# KiCad board mist1010.kicad_pcb (continued)
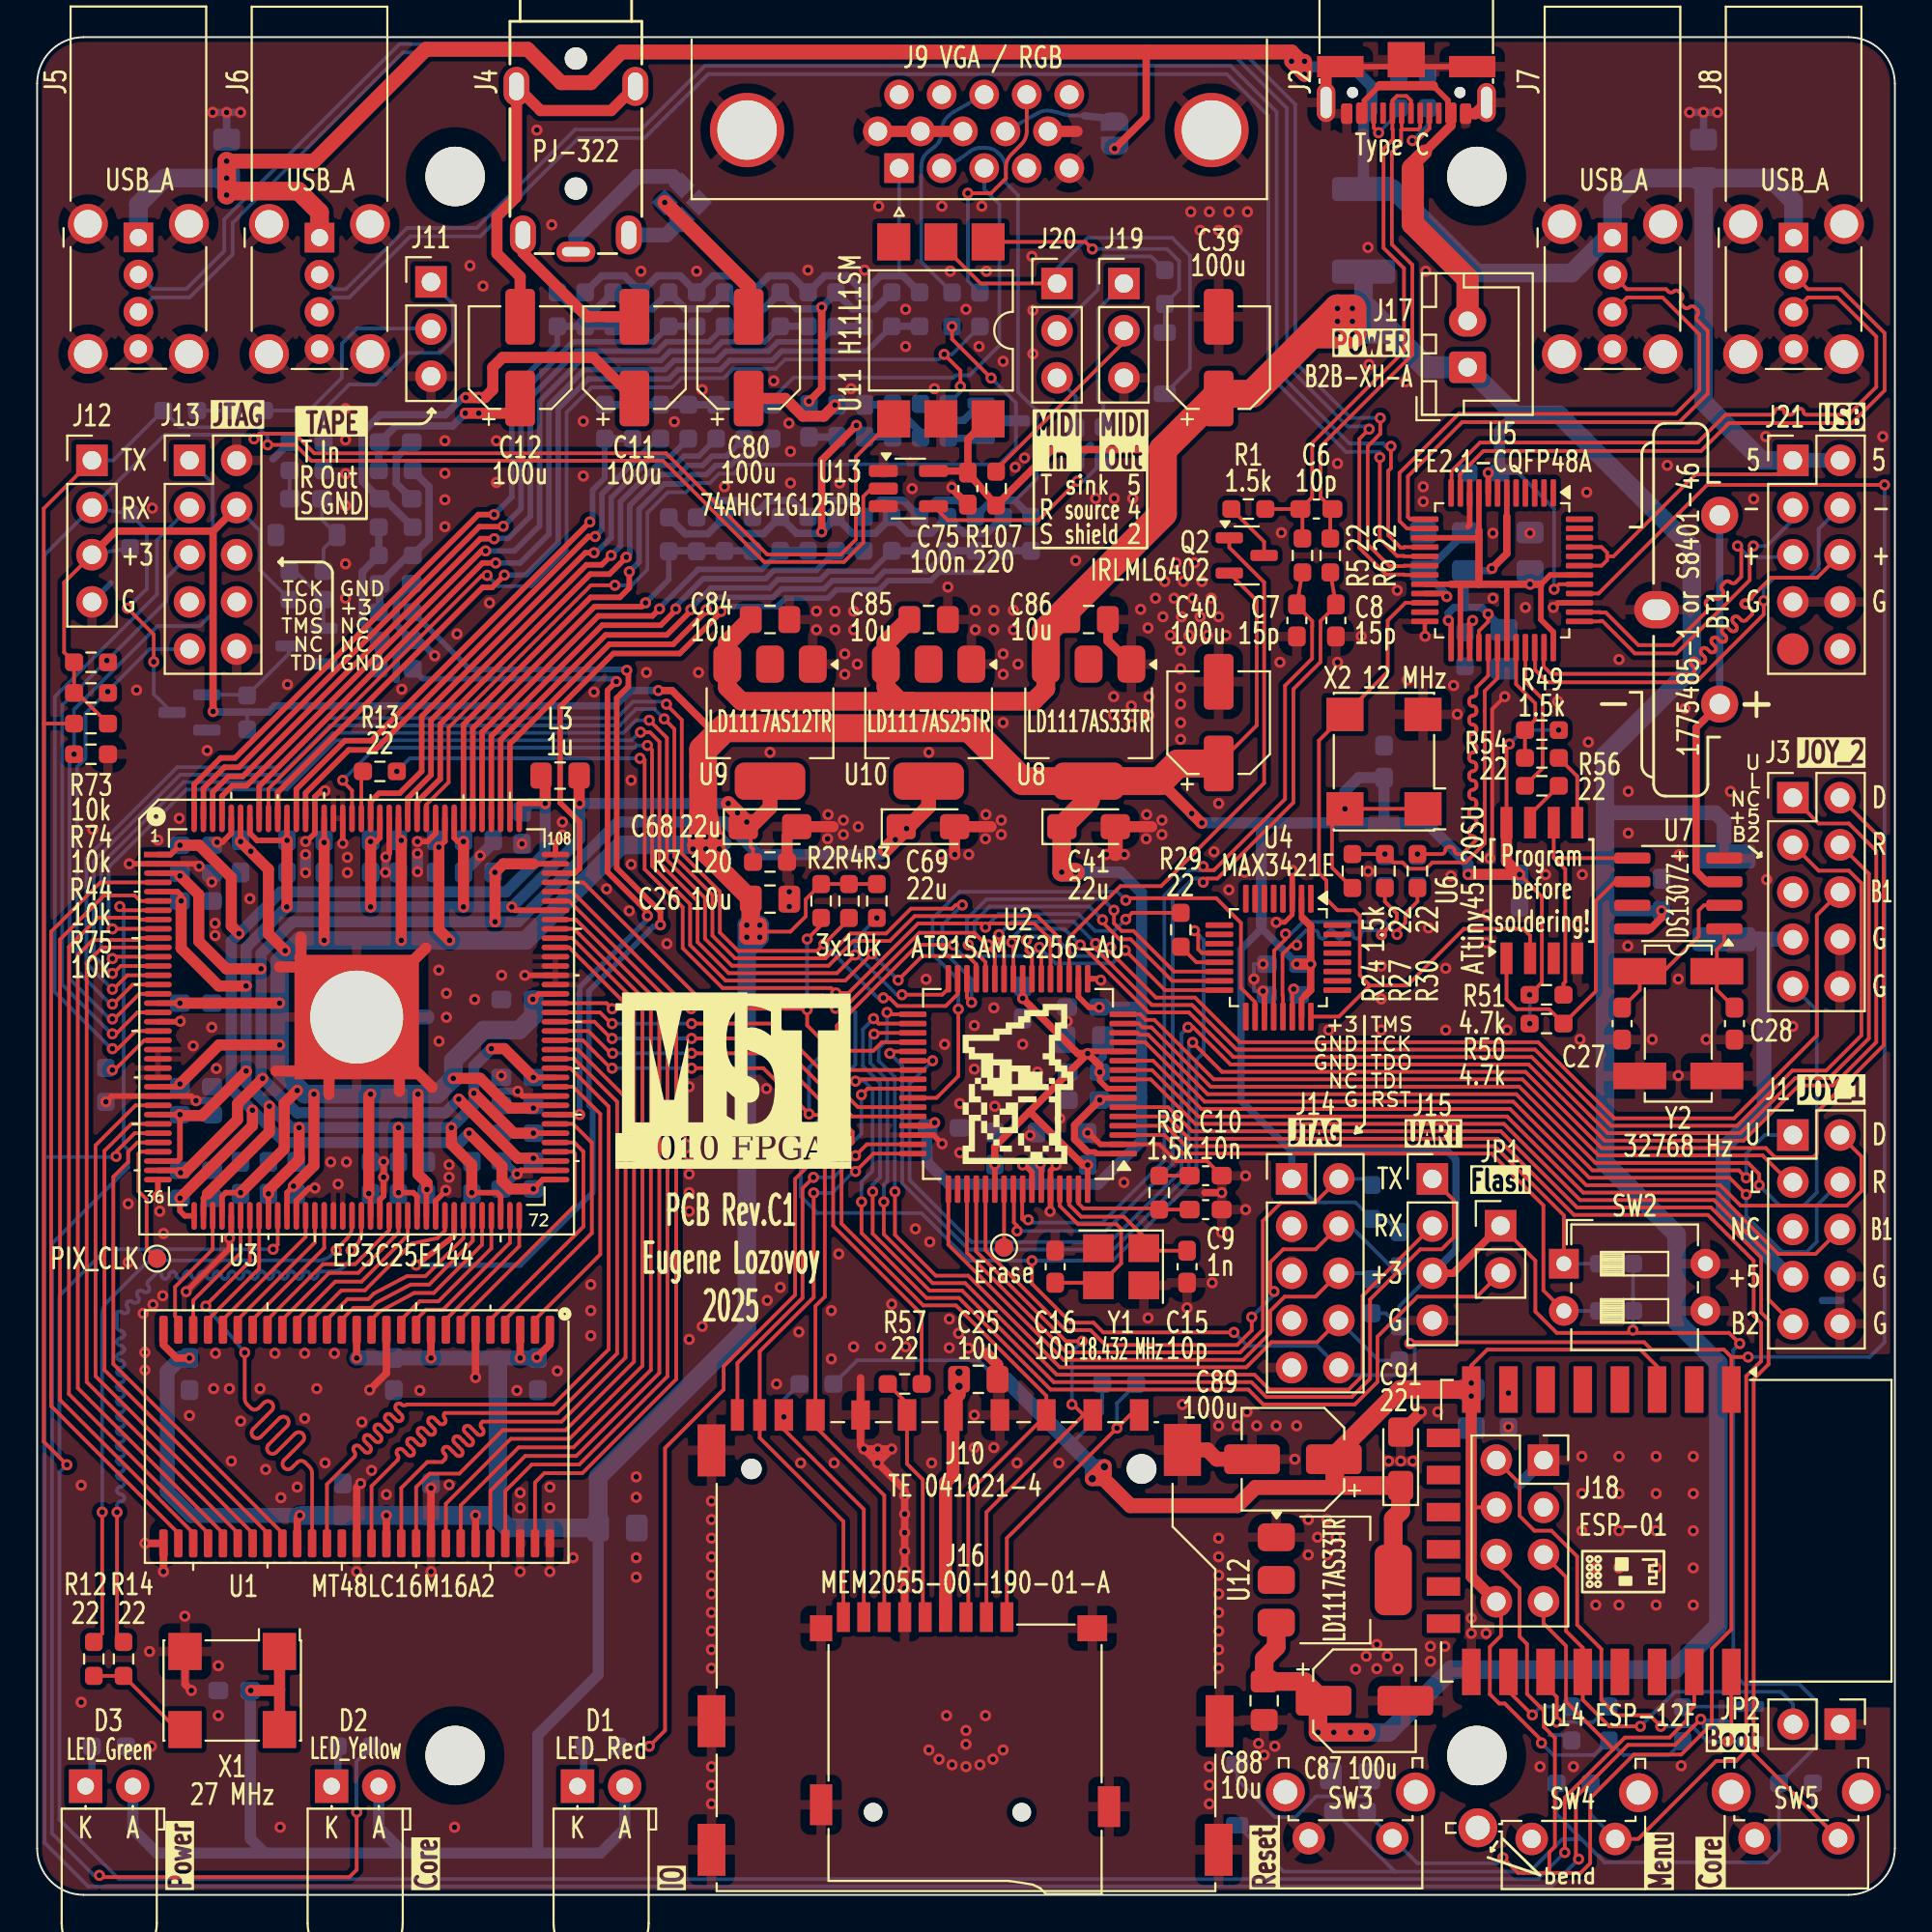
[diagram p0: board, top side]
## Routing (per net, layer and track width the routed paths; a pad name or vN(x,y) marks a point on that pad's centre or on a via; arc(x,y) is an arc through that point) (continued)
+3V3_2: length 103.8
  Top w0.2: J18.8 78.8,15.53 78.8,13.95 78.2,13.35 78.2,10.8 78.7,10.3 79,10.3 80.98,8.32 v1(80.98,8.18) ; J18.4 77.34,20.86 77.2,21 ; U14.3 87.2,28.45 86.3,29.35 78.06,29.35 77.2,28.49 U14.8
  Top w0.6: U14.8 77.2,27.2 77.2,17.13 J18.8
  Top w0.8: 57.4,22.4 58.85,20.95 64.6,20.95 65.58,21.93 69.73,21.93 69.85,22.05 ; 57.4,22.4 v2(56.8,22.4) v2(57.45,23.05) 57.45,22.45 57.4,22.4
  Top w1: 69.83,22.03 C91.1 73.4,20.65 73,20.25 U12.2 ; U14.8 73.38,27.2 69.85,23.67 69.85,22.05
  Bottom w0.2: 55.65,24.25 57.34,25.94 R53.1 ; L2.1 50.66,28.77 44.14,28.77 R64.1 ; R59.1 87.84,7.53 85.39,7.53 R109.2 83.81,7.53 81.63,7.53 v1(80.98,8.18)
  Bottom w0.8: 56.62,23.27 52.15,27.75 L2.1 ; 56.62,23.27 56.85,23.05 v2(57.45,23.05) 57.15,22.75 ; 56.62,23.27 56.8,23.1 v2(56.8,22.4) 57.15,22.75 ; 56.62,23.27 57.15,22.75
  vias: v1(77.2,27.55) v1(77.2,26.85)
+5V: length 239.9
  Top w0.2: U5.41 81.93,70.55 v1(81.66,70.28)
  Top w0.3: U5.8 v1(78.11,76.55)
  Top w0.4: U11.6 50.1,78.36 C75.2 R107.2 54.63,77.8 60.6,77.8 ; U7.8 86.84,52 87.44,52.6 v1(87.44,52.97) ; 48.26,76.65 50.01,76.65
  Top w1: C85.2 45.69,67.39 U10.3 45.69,65.01 46.45,64.25 47.09,64.25 ; C84.2 37.15,67.39 U9.3 37.15,65 37.9,64.25 47.09,64.25 ; 47.09,64.25 53.62,64.25 54.3,64.92 U8.3 ; v1(71.55,8.75) v1(68.95,8.75) 68.95,10.15 C87.1 68.21,11.49 C88.2 66.05,12.7 66.7,13.35 U12.3
  Top w1.2: 63.6,80.8 C39.1 63.35,80.55
  Top w1.5: U8.3 54.3,68.05 60.6,74.35 60.6,77.8 63.35,80.55 ; 68.6,84 65.4,80.8 63.6,80.8 ; 68.6,84 v1(70,84) ; 68.6,84 v1(70,85.4) ; v1(70,84) v1(70,85.4) ; v1(70,84) v1(70.8,84) v1(70.8,85.4) v1(70,85.4)
  Bottom w0.2: 78.72,76.55 79.72,76.55 81.66,74.62 v1(81.66,70.28)
  Bottom w0.6: 71.4,85.6 71.6,85.4 ; 84.47,52.97 v1(87.44,52.97) ; v1(78.11,76.55) 78.72,76.55 78.72,78.83 79.56,79.67
  Bottom w0.8: F2.1 90.8,57.8 90.35,58.25 84.4,58.25
  Bottom w1: J17.1 79.56,79.67 81.93,79.67 89.07,72.53 89.07,66.02 84.4,61.35 84.4,39.4 88.25,35.55 88.25,30.87 90.5,28.62 90.5,14.5 88.12,12.12 76.12,12.12 72.75,8.75 v1(68.95,8.75) ; v1(70,84.7) 72.3,84.7 73,84 v1(70,84) v1(70,84.7) ; v1(70,84.7) v1(70,85.4) 71.6,85.4 ; F1.1 71.4,85.6
  Bottom w1.2: 71.6,85.4 74.77,82.23 J17.1
  vias: v1(69.8,8.75) v1(70.7,8.75) v1(70.8,84.7)
+5V_JOY: length 26.3
  Bottom w0.8: J3.7 F2.2 92.8,51.44 92.95,51.29 92.95,42.4 90.75,40.2 90.75,36.81 94.28,33.28
+5V_USB: length 167.6
  Top w0.2: J21.1 93.76,76.47 89.27,76.47 84.85,72.05 84.51,72.05 ; U5.43 84.21,71.55 84.51,71.85 84.51,72.25 84.21,72.55 U5.45
  Top w0.4: v1(58,94) 59.7,95.7 59.7,99.17 59.72,99.2
  Top w0.6: 68.12,98.6 v1(68.22,98.7) v1(67.53,98.7)
  Top w0.8: v1(67.53,98.7) v1(68.22,98) v1(68.22,98.7) ; 68.12,98.6 67.53,99.2 31.45,99.2 29.8,97.55 28.2,97.55 26.4,99.35 20.92,99.35 14.9,93.32 v1(10.2,93.32)
  Top w1: v1(10.2,93.32) v1(10.2,92.41) v1(10.2,91.5) 10.42,91.72 14.06,91.72 15.2,90.57 J6.1
  Bottom w0.6: F1.2 71.4,95.55 71.85,96 71.85,97.35 70.8,98.4 68.22,98.4 ; v1(10.2,93.32) v1(10.2,91.5) ; 68.22,98.4 v1(68.22,98) v1(67.53,98.7) v1(68.22,98.7) 68.22,98.4
  Bottom w0.8: J21.1 J21.2
  Bottom w1: v1(10.2,92.41) 6.86,92.41 5.45,91 J5.1 ; F1.2 72.97,91.82 77.5,87.3 82.6,87.3 84.51,89.21 J7.1 84.8,91.15 86.06,92.41 C33.2 ; C33.2 93.29,92.41 94.55,91.15 J8.1 ; C33.2 89.7,80.35 92.83,77.22 J21.1
GND: length 232.4
  Top w0.2: C10.2 62.97,39.5 61.3,39.5 60.4,40.4 U2.2 ; U5.24 74.7,67.76 v1(74.71,67.75) ; v1(78.2,55.8) 78.32,55.92 78.32,63.82 v1(79,64.5)
  Top w0.25: v1(66.7,52.35) 67.15,52.35 67.56,52.76 U4.3
  Top w0.3: U3.41 10.45,35.45 v1(10.35,35.35) 10.35,34.8 v1(8.02,32.47) ; v1(7.7,47.02) 7.67,47 U3.19 ; v1(54.53,36.79) 54.55,36.82 U2.60 54.55,38.99 v1(54.85,39.29) ; 18.65,37.63 v1(18.65,38.63) ; 18.65,37.63 18.45,37.43 U3.57 ; 18.65,37.63 v1(18.65,39.47) ; U5.10 77.11,73.74 77.03,73.65 ; J2.S1 74.07,98.41 J2.S1 73.32,98.41 J2.S1 ; v1(28.27,57.05) 27.9,56.68 U3.108 ; U3.140 10.45,57.14 9.97,56.67 v1(9.68,56.67) ; U3.74 26.03,39 v1(25.83,38.8) ; v1(8.55,42.75) 8.3,43 U3.27 4.01,43 v1(3.7,42.69) ; U3.123 18.95,56.05 v1(18.77,55.87) ; v1(67.55,55.15) 67.56,55.14 U4.3 ; U2.46 48.25,40.9 v1(48.71,40.43) ; U2.2 57.23,40.4 56.62,41.01 v1(56.55,41.01) ; v1(81.61,69.3) 81.86,69.55 U5.39 ; U3.118 21.45,57.14 21.01,56.7 v1(20.47,56.7) ; v1(6.5,37.6) U3.36 ; U3.48 13.95,37.36 14.64,38.05 v1(14.95,38.05) ; v1(14.45,56.7) 14.51,56.7 14.95,57.14 U3.131 14.95,59.1 15.28,59.43 v1(15.49,59.43) ; v1(65.99,48.65) 66.06,48.57 U4.19 ; U3.63 21.45,37.36 22,37.91 v1(22,37.92) ; U3.82 26.13,43 v1(25.87,43.26) ; v1(8.72,55.37) 8.59,55.5 U3.2 v1(4.96,55.5) ; U3.128 v1(16.45,56.6) ; U2.17 57.18,49.31 v1(57.25,49.24) ; U3.95 v1(26.25,49.5)
  Top w0.4: v1(45.25,23.25) 46.7,21.8 J16.6 ; v1(45.25,23.25) v1(44.5,24) ; v1(45.25,23.25) v1(46,24) v1(45.25,24) ; v1(45.25,23.25) v1(45.25,24) ; v1(44.5,24) v1(45.25,24) ; v1(44.5,24) 44.32,24.17 J10.6 44.32,27.82 ; X1.2 7.96,11.34 v1(8.3,11) ; U1.12 18.8,28.08 v1(17.9,27.18) ; U1.46 v1(21.2,21.9) ; v1(23.6,27.85) U1.6 ; C75.1 49.24,75.7 v1(49.24,75.76) ; v1(17.41,22.14) 17.2,21.93 U1.41 ; v1(5.8,18.92) U1.28 v1(6.8,17.4) ; v1(63.76,37.8) 62.86,37.8
  Top w0.5: U8.1 57.64,67.51 C86.1
  Top w0.6: 15.71,43.09 15.71,45.76 U3.145 ; U3.145 14.5,49.95 13.05,49.95 ; U3.145 17.48,47.25 21.25,43.48 21.25,43.47 ; U3.145 14.2,50.25 14.2,51.55 ; U3.145 20.92,50.97 ; U3.145 14.3,44.35 12.85,44.35 ; U3.145 19.5,44.95 19.5,43.25 ; v1(49.4,56) 49.39,56.01 C69.2 51.35,57.5 ; C91.2 74.49,26 v1(74.5,26) ; J2.S1 69.38,98.41 J2.S1 ; J9.10 55.98,94.93 ; R7.2 40.36,56.97 C68.2 42.85,57.5 ; 51.1,29.15 51.7,28.55 C25.1 ; J2.S1 77.42,95.88 J2.A1 ; C41.2 60,57.5 ; J9.6 J9.8
  Top w0.8: C89.2 63.5,23.45 63,23.95 J10.12 ; 58.05,56.05 58.04,56.06 C41.2
  Bottom w0.2: C63.1 55.44,47.04 v1(55.45,47.02) 55.3,46.87 C1.1 ; R110.2 82.31,8.6 81.4,8.6 ; v1(65.99,48.65) 65.5,48.65 v1(65.5,49.3) 65.5,50.1 v1(65.99,50.1)
  Bottom w0.3: J12.4 3.97,70.62
  Bottom w0.4: v1(25.87,43.26) 24.96,43.26 ; v1(10.2,95.95) v1(10.95,95.95) ; v1(10.2,95.95) v1(9.45,95.95) ; v1(10.2,95.95) C34.1 ; C33.1 v1(89.7,95.95) ; v1(89.7,95.95) v1(88.95,95.95) ; v1(89.7,95.95) v1(90.45,95.95) ; C13.2 19.33,75.99 19.33,77.36 C14.2 ; v1(18.65,39.47) v1(18.65,38.63) ; 19.33,65.42 19.33,66.69 C82.2 ; C73.1 25.03,38 v1(25.83,38.8) 25.13,39.5 C37.1 ; 97.1,32 96.1,32 ; C82.2 20.58,67.52 v1(21.4,66.7) ; C82.2 19.33,68.36 19.33,69.74 C83.2 ; 12.7,77.3 13.59,78.19 R67.2 ; v1(8.55,42.75) 9.4,42.75 ; v1(18.77,55.87) 18.75,55.85 v1(18.75,55.04) ; C76.2 56.7,78.04
  Bottom w0.6: J18.1 79.79,22.1 ; J9.6 47.54,94.93 ; v1(14.45,56) v1(14.45,55.02) ; v1(20.47,56.05) v1(20.47,55.07) ; C38.1 24.55,56.64 C96.1 ; J9.10 55.93,94.93
  Bottom w0.8: U3.145 20.99,47.25
  vias: v1(2.37,22.05) v1(2.37,10.37) v1(3,57.35) v1(4.9,37.2) v1(4.9,34.05) v1(5.35,64.85) v1(5.71,31.3) v1(5.8,29.2) v1(5.8,28.25) v1(6.05,13.1) v1(6.2,74.65) v1(6.23,31.77) v1(6.15,8) v1(6.5,56.78) v1(6.6,36.8) v1(6.8,35.6) v1(6.76,32.25) v1(7.65,57.95) v1(7.95,15) v1(8.2,25.8) v1(8.4,45.7) v1(9.15,61.6) v1(9.4,54.52) v1(9.4,46.7) v1(9.5,27.25) v1(9.58,52.3) v1(9.58,51.64) v1(9.6,29.15) v1(9.65,44.48) v1(9.75,12.33) v1(9.75,9.65) v1(10.35,27.25) v1(10.45,23.35) v1(10.95,25.5) v1(11.45,53.62) v1(12,27.25) v1(12.3,22.9) v1(12.8,29.15) v1(13.12,21.38) v1(13.08,3.64) v1(13.47,65.15) v1(14,21.95) v1(14.4,29.15) v1(14.4,25.65) v1(15.05,27.25) v1(15.5,23.25) v1(15.8,39.45) v1(16,29.15) v1(16.2,38.26) v1(16.6,80) v1(16.6,78.32) v1(16.6,76.5) v1(16.6,74.77) v1(16.6,71.65) v1(16.6,69.8) v1(16.7,55.85) v1(16.7,55.02) v1(16.65,39.45) v1(17.2,17.4) v1(17.47,25.45) v1(18,22.85) v1(18.8,21.55) v1(19.62,64.9) v1(20.6,27.15) v1(21.2,17.4) v1(21.62,49.78) v1(21.63,45.95) v1(21.95,78.27) v1(21.95,76.52) v1(21.95,75.1) v1(21.95,73.65) v1(22.03,48.53) v1(22.03,47.24) v1(22.17,39.3) v1(22.17,38.62) v1(22.18,22.07) v1(22.47,3.64) v1(22.6,67.88) v1(23.3,87.7) v1(23.55,48.2) v1(23.85,55.94) v1(24,86.6) v1(24.35,69.55) v1(24.72,78.27) v1(24.72,76.02) v1(25,49.5) v1(24.99,44.1) v1(25.83,27.15) v1(26,21.65) v1(26,20.83) v1(26,17.4) v1(26.1,56.57) v1(26.9,95) v1(27.6,21.95) v1(27.6,20.84) v1(27.6,17.4) v1(27.7,89.9) v1(28,28.2) v1(28.27,57.75) v1(28.85,18.15) v1(29.4,79.32) v1(29.4,76.38) v1(29.8,32.85) v1(29.8,31.45) v1(29.8,30.1) v1(29.97,64.75) v1(30.65,54.15) v1(31.87,52.97) v1(31.97,60) v1(31.97,55.47) v1(32.25,22.5) v1(32.25,21.4) v1(32.25,18.15) v1(32.25,17.1) v1(32.5,87.4) v1(32.8,65.8) v1(33.9,51.2) v1(34.3,79.3) v1(35.1,43.5) v1(35.1,40.8) v1(35.1,39.8) v1(35.1,38.8) v1(35.1,37.8) v1(35.1,36.8) v1(35.1,29.9) v1(35.5,87.4) v1(35.6,65.8) v1(35.8,81.02) v1(35.8,30.6) v1(36.3,21.2) v1(36.3,20.2) v1(36.3,19.2) v1(36.3,18.2) v1(36.3,17.2) v1(36.3,16.2) v1(36.3,15.2) v1(36.3,14.2) v1(36.3,13.2) v1(36.3,12.2) v1(36.3,6.9) v1(36.3,5.9) v1(36.3,4.9) v1(37,75.8) v1(39.26,43.4) v1(39.3,32) v1(39.45,61.5) v1(39.65,81.5) v1(39.8,27.5) v1(40,32.7) v1(40.43,42.2) v1(40.43,41.2) v1(40.43,40.2) v1(40.47,79.22) v1(40.49,54) v1(40.49,53.2) v1(40.55,77.7) v1(40.55,76) v1(41,30.3) v1(41.1,23.25) v1(41.49,87.46) v1(41.95,69.1) v1(41.95,68.1) v1(42.57,58.15) v1(42.55,56.85) v1(42.75,31.45) v1(42.75,28.85) v1(42.95,69.1) v1(42.95,68.1) v1(42.9,23.25) v1(43.2,76) v1(43.15,34.5) v1(43.4,57.85) v1(43.4,57.07) v1(43.47,66.8) v1(43.47,65.7) v1(43.81,81.07) v1(43.95,69.1) v1(43.95,68.1) v1(43.95,29.5) v1(44.15,66.25) v1(44.2,57.5) v1(44.54,87.46) v1(45.3,90.9) v1(45.4,29.5) v1(46,31.8) v1(46.75,85.35) v1(46.75,83.35) v1(46.75,29.5) v1(46.7,21.5) v1(46.7,20.5) v1(46.7,19.5) v1(46.7,18.5) v1(46.7,17.5) v1(46.7,16.5) v1(47.1,75.7) v1(47.28,35.85) v1(47.85,49.29) v1(48,61.5) v1(48,7.8) v1(48.05,35.15) v1(48.15,23.25) v1(48.3,81.07) v1(48.55,7.3) v1(48.7,90.9) v1(48.65,56) v1(48.85,45.79) v1(48.95,9.65) v1(49.03,70.4) v1(49.1,31) v1(49.1,29.45) v1(49.15,87.4) v1(49.25,7) v1(49.6,30.22) v1(49.66,42.6) v1(49.66,39.95) v1(50,85.35) v1(50,8.85) v1(50,8.1) v1(50,6.9) v1(50.12,29.42) v1(50.15,56) v1(50.45,46.8) v1(50.45,44.45) v1(50.45,25.82) v1(50.45,24.07) v1(50.5,69.15) v1(50.5,68.1) v1(50.7,83.35) v1(50.75,7) v1(50.85,90.9) v1(51.1,87.4) v1(51.07,58.15) v1(51.05,56.85) v1(51.05,9.65) v1(51.45,7.3) v1(51.5,69.15) v1(51.5,68.1) v1(51.5,47.75) v1(51.55,42.45) v1(51.5,24.07) v1(51.9,57.85) v1(51.9,57.07) v1(52,82.55) v1(52,66.8) v1(52,65.7) v1(52,63.1) v1(52,7.8) v1(52.55,69.15) v1(52.55,68.1) v1(52.65,76.85) v1(52.75,23.25) v1(52.8,66.25) v1(53.05,45.79) v1(53.15,77.35) v1(53.45,40.89) v1(53.55,88.2) v1(53.6,85.3) v1(53.6,82.95) v1(53.85,44.29) v1(55.05,41.79) v1(55,23.25) v1(55.9,71.82) v1(56.98,75.17) v1(57.55,56) v1(57.95,64.5) v1(57.95,63.5) v1(57.98,75.17) v1(58.53,56) v1(58.5,38.35) v1(58.9,64) v1(58.9,63) v1(58.98,75.17) v1(59.4,69.2) v1(59.72,58.15) v1(59.7,56.85) v1(59.8,68.2) v1(59.85,64.5) v1(59.85,63.5) v1(59.8,31.05) v1(60.2,69.8) v1(60.6,68.8) v1(60.55,57.85) v1(60.55,57.07) v1(60.7,70.7) v1(61,67.8) v1(61.2,69.8) v1(61.3,71.7) v1(61.6,68.8) v1(61.55,67) v1(61.55,66) v1(61.55,65) v1(61.55,64.1) v1(61.55,63.1) v1(61.55,62.2) v1(61.7,70.7) v1(61.65,26.4) v1(61.9,31.6) v1(62,67.8) v1(62.1,90.6) v1(62.2,69.8) v1(62.3,71.7) v1(62.6,89.6) v1(62.6,68.8) v1(62.7,70.7) v1(63,67.8) v1(63.1,90.6) v1(63.1,6.9) v1(63.1,5.9) v1(63.1,4.9) v1(63.2,69.8) v1(63.35,56.15) v1(63.25,32.95) v1(63.6,89.6) v1(63.6,68.8) v1(63.6,58.75) v1(63.6,25.25) v1(63.6,19.2) v1(63.6,18.2) v1(63.6,17.2) v1(63.6,16.2) v1(63.6,15.2) v1(63.6,14.2) v1(63.6,13.2) v1(63.6,12.2) v1(63.76,35.65) v1(64,67.8) v1(64.15,90.6) v1(64.15,54.1) v1(64.6,89.6) v1(64.6,25.25) v1(65,55.05) v1(65.05,38.7) v1(65.05,36.89) v1(65.12,26) v1(65.15,90.6) v1(65.65,25.25) v1(65.75,8.15) v1(66.05,7.53) v1(66.62,8) v1(66.7,25.25) v1(66.9,66.35) v1(66.97,73.32) v1(67.7,23.45) v1(67.8,25.25) v1(68.43,20.2) v1(68.43,18.3) v1(68.93,19.25) v1(69.43,20.2) v1(69.43,18.3) v1(69.53,46.55) v1(69.93,19.25) v1(70,77.05) v1(70,66.35) v1(70.97,12.15) v1(71.28,67.75) v1(71.54,12.85) v1(71.64,88.68) v1(71.7,82.38) v1(71.65,55.1) v1(72.11,13.47) v1(72.11,12.17) v1(72.35,50) v1(72.35,48.22) v1(72.35,46.55) v1(72.75,23.35) v1(72.68,12.85) v1(73.21,70.22) v1(73.25,12.17) v1(73.4,23.35) v1(73.68,81.45) v1(73.76,65.4) v1(74.05,23.35) v1(74.61,75.8) v1(74.61,75) v1(74.75,87.4) v1(74.9,52.05) v1(75,13.38) v1(75,12.57) v1(75.4,26) v1(75.82,49.88) v1(75.82,46.55) v1(75.78,13.38) v1(76.1,54.85) v1(76.25,65.1) v1(76.45,63.55) v1(77.2,14.9) v1(77.2,14.07) v1(78,51.25) v1(78,14.07) v1(78.05,52.75) v1(78.36,73.3) v1(78.36,69.8) v1(79.12,46.55) v1(79.2,25.19) v1(80.11,69.3) v1(80.36,73.3) v1(80.9,6.9) v1(81.2,54.92) v1(81.85,64.25) v1(82.7,6.9) v1(82.9,52.25) v1(83.05,46.05) v1(83.18,54.92) v1(83.15,23.6) v1(83.15,21.6) v1(83.15,19.6) v1(83.41,75.5) v1(83.5,62.05) v1(83.9,17.6) v1(83.9,15.6) v1(85.15,66.5) v1(85.15,23.6) v1(85.15,21.6) v1(85.15,19.6) v1(85.15,17.6) v1(85.15,15.6) v1(85.62,51.07) v1(85.65,59.4) v1(85.65,57.15) v1(86.94,46.05) v1(87.15,23.6) v1(87.15,21.6) v1(87.15,19.6) v1(87.15,17.6) v1(87.15,15.6) v1(87.75,76.95) v1(88.34,49.3) v1(88.34,44.1) v1(88.4,56) v1(88.5,6.95) v1(88.7,63.85) v1(89.15,23.6) v1(89.15,21.6) v1(89.15,19.6) v1(89.15,17.6) v1(89.15,15.6) v1(89.84,46.05) v1(91.15,59.4) v1(92.4,75.15) v1(93.05,78.5) v1(93.1,54.65) v1(94.5,46.75) v1(99.35,78.5)
+BATT: length 21.4
  Top w0.4: BT1.1 89.3,62.83 89.3,55.1 89.86,54.54 U7.3
  Bottom w0.4: BT1.1 BT1.1
/ARM_TCK: length 32.9
  Top w0.2: U2.53 51.05,34.7 55.35,30.4 56.7,30.4 57.5,29.6 64.59,29.6 65.38,30.39 v1(65.38,31.1) ; v1(66.58,32.48) 66.38,32.68 66.38,34.05 67.08,34.75 68.82,34.75 J14.4
  Bottom w0.2: R70.2 72.85,33.85 70.7,36 J14.4 ; v1(66.58,32.48) 66.58,32.3 v1(65.38,31.1)
/ARM_TDI: length 46
  Top w0.2: v1(45.75,47.5) 45.85,47.4 U2.33 ; v1(46.17,37.85) 46.17,35.53 48.37,33.33 50.12,33.33 55.05,28.4 65.09,28.4 66.44,29.75 68.9,29.75 J14.8
  Bottom w0.2: R72.2 72.22,28.77 J14.8 ; v1(46.17,37.85) 46.17,37.86 46.17,44.03 45.3,44.89 45.3,45.58 45.75,46.03 v1(45.75,47.5)
/ARM_TDO: length 31.1
  Top w0.2: U2.49 49.05,35 55.25,28.8 64.93,28.8 66.38,30.25 66.38,31.43 67.15,32.2 68.81,32.2 J14.6
  Bottom w0.2: R71.2 71.52,33.46 J14.6
/ARM_TMS: length 34.9
  Top w0.2: J14.2 68.78,37.25 66.95,37.25 65.98,36.28 65.98,30.42 64.76,29.2 55.42,29.2 50.05,34.57 U2.51
  Bottom w0.2: J14.2 71.52,38.54 R69.2
/AUDIO_L: length 58.8
  Top w0.3: U3.65 22.45,35.49 22.38,35.42 v1(20.4,33.9) ; v1(33.55,52.21) 33.55,52.92 31.2,55.27 31.2,64.42 31.44,64.67 31.44,64.67 31.82,65.05 31.82,65.83 v1(31.74,65.91)
  Bottom w0.3: v1(31.74,65.91) 31.69,65.97 23.3,65.97 R11.2 ; v1(33.55,52.21) 33.48,52.14 33.19,52.14 29.7,48.65 29.7,42.52 29.9,42.32 29.9,37.8 26,33.9 v1(20.4,33.9)
/AUDIO_R: length 38.5
  Top w0.3: v1(32.85,52.7) 32.85,52.91 30.7,55.06 30.7,64.84 v1(31.18,65.32) ; U3.80 v1(29.2,42)
  Bottom w0.3: R10.1 20.75,65.47 31.03,65.47 v1(31.18,65.32) ; v1(29.2,42) 29.2,48.86 32.85,52.51 v1(32.85,52.7)
/B: length 32.3
  Bottom w0.2: J9.3 50.98,91.82 51.8,91 51.8,83.4 50.2,81.8 49.45,81.8 49.33,81.67 40.72,81.67 39.55,80.5
  Bottom w0.4: R41.2 R40.2 R39.2 R37.2 R35.2 R34.2 R33.2
/Button1: length 76.6
  Top w0.2: U2.5 60.81,41.9 62.01,40.7 78.63,40.7 82.73,36.6 89.94,36.6 92.4,34.14 92.4,31.18 92.8,30.78 92.8,28.73 92,27.93 92,7.75 91.45,7.2 90.38,7.2 86.19,3.01 SW4.1
  Bottom w0.2: SW4.1 83.61,4.35 R62.2
/Button2: length 74.8
  Top w0.2: SW5.1 92.4,7.6 92.4,27.76 93.2,28.56 93.2,30.95 92.8,31.35 92.8,34.3 90.1,37 82.89,37 78.79,41.1 62.18,41.1 60.88,42.4 U2.6
  Bottom w0.2: SW5.1 95.59,4.41 R63.2
/CLK_12: length 40.4
  Top w0.2: 71.75,48.95 70.07,47.27 U4.24 ; 71.75,48.95 71.2,49.5 71.2,52.7 70.9,53 70,53 69.4,53.6 69.4,54.6 69,55 69,62.14 X2.3 72.7,65.84 72.7,68.6 73.65,69.55 U5.22 ; 71.75,48.95 73.75,48.95 76.8,52 80,52 80.37,51.63 U6.2
/CLK_27: length 6.1
  Top w0.2: X1.3 7.54,8.9 R14.1 R12.1
/CONF_DATA0: length 79
  Top w0.2: v1(50.3,48.04) 50.05,48.29 U2.30 ; v1(49.8,53.29) 49.45,53.29 49.25,53.09 47.04,53.09 45.7,51.75 43.77,51.75 42.44,50.41 37.57,50.41 36.35,51.63 36.35,53.83 34.3,55.88 34.3,62.76 v1(33.75,63.3) ; U3.13 4.5,50 4.1,49.6 v1(4.05,49.6)
  Bottom w0.2: v1(33.75,63.3) 33.23,63.83 32.24,63.83 31.36,62.95 15.75,62.95 13.11,60.3 7.7,60.3 3.05,55.65 3.05,50.55 4,49.6 v1(4.05,49.6) ; v1(49.8,53.29) 48.72,52.21 48.72,50.86 50.3,49.29 v1(50.3,48.04)
/CONF_DCLK: length 77
  Top w0.2: v1(4.05,50.4) 4.15,50.5 U3.12 ; v1(32.95,63.23) 33.9,62.28 33.9,55.71 35.95,53.66 35.95,51.47 37.4,50.01 42.6,50.01 43.94,51.35 45.9,51.35 47.24,52.69 50.76,52.69 53.84,52.69 55.05,51.48 U2.20
  Bottom w0.2: v1(4.05,50.4) 3.45,51 3.45,55.48 7.87,59.9 13.27,59.9 15.92,62.55 31.55,62.55 32.23,63.23 v1(32.95,63.23)
/CONF_DONE: length 26
  Top w0.2: U2.36 45.47,45.9 45.01,45.44 42.8,45.44 42.45,45.79 42.45,45.8 41.45,46.8 v1(41.45,47.65) 41.4,47.7 v1(35.2,47.7) ; v1(30.95,47.7) 30.65,48 U3.92 ; 42.2,52.2 v1(41.45,51.45)
  Bottom w0.2: v1(35.2,47.7) v1(30.95,47.7) 31.05,47.7 ; v1(41.45,51.45) v1(41.45,47.65)
/CONF_NCONFIG: length 76.4
  Top w0.2: U3.14 4.85,49.5 4.1,48.75 v1(4.05,48.75) ; 43.7,52.52 v1(42.35,51.18) 41.99,50.81 37.74,50.81 36.75,51.8 36.75,54 34.7,56.05 34.7,63.24 33.88,64.07 v1(33.88,64.09) ; U2.31 49.55,48.49 48.91,47.85 46.31,47.85 45.87,48.29 v1(45.55,48.29)
  Bottom w0.2: v1(33.88,64.09) 33.74,64.23 32.07,64.23 31.19,63.35 15.59,63.35 12.94,60.7 7.54,60.7 2.65,55.81 2.65,50.15 v1(4.05,48.75) ; v1(45.55,48.29) 45.24,48.29 v1(42.35,51.18)
/CONF_NSTATUS: length 68.5
  Top w0.2: 49.05,48.79 48.72,48.45 v1(46.56,48.45) ; U3.9 v1(4.05,52) ; v1(32.48,62.58) 32.99,62.58 33.5,62.07 33.5,55.54 35.55,53.49 35.55,51.29 37.23,49.61 43.05,49.61 v1(44.03,50.59)
  Bottom w0.2: v1(46.56,48.45) 46.27,48.45 44.13,50.59 v1(44.03,50.59) 44.03,51.42 v1(45.2,52.59) ; v1(4.05,52) 3.85,52.2 3.85,55.32 8.03,59.5 13.45,59.5 16.1,62.15 32,62.15 32.43,62.58 v1(32.48,62.58)
/CVBS: length 8
  Top w0.8: v1(33.78,91.1) 38.3,86.58 C80.2
/CVBS_C: length 27.8
  Top w0.4: v1(42.23,85.46) 42.23,81.08 v1(41.55,80.4)
  Bottom w0.4: R76.2 28.89,85.38 30.11,85.38 R77.2 31.89,85.38 33.11,85.38 R78.2 34.89,85.38 36.11,85.38 R79.2 37.89,85.38 39.11,85.38 R80.2 40.89,85.38 42.15,85.38 v1(42.23,85.46) 43,86.23 R81.2 43.89,85.38 45.11,85.38 R82.2
/CVBS_Y: length 31.1
  Top w0.4: v1(42.23,73.37) 42.23,77.23 v1(44.1,79.1)
  Bottom w0.4: R83.2 34.89,73.26 36.1,73.26 R84.2 37.89,73.27 39.1,73.27 40,74.17 40.89,73.29 42.15,73.29 v1(42.23,73.37) 43,74.14 43,74.17 43.89,73.29 45.11,73.29 46,74.17 46.89,73.29 48.11,73.29 49,74.17 49.89,73.29 51.11,73.29 52,74.17 ; 44.55,78.65 v1(44.1,79.1) ; C78.2 46.04,78.49
/DM_PUP: length 30.1
  Top w0.2: Q2.1 64.17,72.53 66.05,70.65 66.05,59.85 60.5,54.3 58.31,54.3 55.55,51.54 U2.19
/ESP_BOOT: length 21.9
  Top w0.2: J18.5 82.3,17.11 82.3,14.2 83.2,13.3 U14.18 ; 83.2,11.18 83.2,10.5 84.63,9.07 v1(86.3,9.07)
  Bottom w0.2: v1(86.3,9.07) 88.15,10.92 93.88,10.92 94.52,10.28 JP2.2
/ESP_TX: length 28.6
  Top w0.2: U14.22 91.2,8.45 v1(91,8.25) ; J18.2 79.8,22.15 79.8,20.4 80.6,19.6 81.52,19.6 82.9,18.22 82.9,14.53 84.2,13.23 84.2,10.5 85.03,9.67 86.8,9.67 v1(87.4,9.07)
  Bottom w0.2: 92.21,8.25 v1(91,8.25) 89.91,8.25 89.09,9.07 v1(87.4,9.07)
/FPGA_TCK: length 39.2
  Top w0.2: v1(4.05,47.15) 4.15,47.15 5.5,48.5 U3.16
  Bottom w0.2: J13.1 9.45,75.97 9.45,69 8.75,68.3 6.48,68.3 1.99,63.81 v1(1.99,61.4) 1.75,61.16 1.75,49.3 3.9,47.15 v1(4.05,47.15)
/FPGA_TDI: length 26.7
  Top w0.2: v1(4.05,47.95) 4.1,47.95 5.15,49 U3.15
  Bottom w0.2: v1(4.05,47.95) 3.95,47.95 2.15,49.75 2.15,60.71 2.6,61.16 2.6,63.6 3.7,64.7 ; 3.7,64.7 3.77,64.77 v1(3.8,64.77) ; 3.7,64.7 6.06,67.06 J13.9
/FPGA_TDO: length 36.3
  Top w0.2: v1(4.05,45.55) 4.35,45.55 5.3,46.5 U3.20
  Bottom w0.2: J13.3 6.45,72.93 6.45,70 0.95,64.5 0.95,48.6 4,45.55 v1(4.05,45.55)
/FPGA_TMS: length 33.1
  Top w0.2: v1(4.05,46.35) 4.25,46.35 5.4,47.5 U3.18
  Bottom w0.2: J13.5 6.95,70.89 6.95,69.64 3.46,66.15 ; 3.46,66.15 1.35,64.04 1.35,49 4,46.35 v1(4.05,46.35) ; 3.46,66.15 v1(3.75,66.44)
/G: length 46
  Bottom w0.2: J9.2 49.53,93.36 49.56,93.38 49.63,93.42 49.67,93.45 50.24,93.86 50.32,93.92 50.51,94 50.72,94.05 50.82,94.05 51.04,94.05 51.13,94.05 51.33,94.01 51.51,93.93 51.67,93.82 51.74,93.76 51.83,93.67 51.9,93.6 52.01,93.43 52.08,93.25 52.12,93.06 52.12,92.96 52.12,92.17 52.8,91.5 52.8,80.9 53.8,79.9 53.8,76.21 52.55,74.96
  Bottom w0.4: R22.2 36.4,75.05 37.61,75.05 R23.2 39.4,75.06 40.61,75.06 41.5,74.17 41.6,74.17 42.49,75.06 43.61,75.06 44.5,74.17 45.39,75.06 46.61,75.06 47.5,74.17 48.39,75.06 49.61,75.06 50.5,74.17 51.39,75.06 52.61,75.06 53.5,74.17
/HS: length 13
  Bottom w0.2: J9.13 49.32,95.97 arc(49.21,95.89) 49.1,95.8 49.08,95.78 49.08,95.77 arc(48.79,95.42) 48.69,94.98 48.7,94.9 arc(48.6,94.45) 48.31,94.1 47.98,93.84 arc(47.69,93.49) 47.59,93.05 47.59,87.91 R43.2
/MISO: length 81.6
  Top w0.2: 41.9,25.2 45.6,21.5 J16.7 ; v1(51.2,51.14) 51.15,51.14 51.12,51.11 ; v1(57.35,52.49) 57.35,52.35 58.26,51.44 58.32,51.44 58.86,51.44 61.1,49.2 U4.15 ; 51.12,51.11 51.55,50.67 U2.27 ; 51.12,51.11 50.44,51.79 47.48,51.79 43.58,47.89 43.14,47.89 v1(42.98,47.72) 42.29,48.41 35.49,48.41 29.4,54.5 U3.105 ; v1(42.69,41.38) 42.4,41.09 42.4,39.79 42.4,39.79 42.4,39.29 42.4,38.04 42.4,38.04 42.4,32.2 41.9,31.69 41.9,25.83
  Bottom w0.2: v1(57.35,52.49) 56.64,53.2 51.27,53.2 50.45,52.38 50.45,51.8 51.11,51.14 v1(51.2,51.14) ; v1(42.69,41.38) 42.95,41.64 42.95,44.24 43.65,44.94 43.65,47.05 v1(42.98,47.72)
/MOSI: length 83.4
  Top w0.2: v1(30.95,44.5) 30.88,44.5 29.38,46 U3.88 ; v1(35.22,44.5) 39.09,44.5 v1(41.55,42.04) 41.61,41.98 42.99,41.98 43.9,41.07 43.9,40.5 43.3,39.9 43.3,36.13 47.7,31.73 49.46,31.73 54.32,26.86 54.32,25.72 ; v1(49.32,51.14) 47.4,51.14 43.05,46.79 v1(43.05,46.04) ; U2.22 54.05,50.9 v1(53.95,51) ; J10.2 50.12,21.63 50.12,15.07 J16.3 ; U4.16 60.71,48.7 v1(58.57,50.84)
  Bottom w0.2: v1(41.55,42.04) 41.55,44.54 v1(43.05,46.04) ; v1(58.57,50.84) 57.87,50.14 54.81,50.14 v1(53.95,51) 53.49,50.54 49.84,50.54 49.32,51.05 v1(49.32,51.14) ; v1(30.95,44.5) v1(35.22,44.5)
/PIXEL_CLK: length 7.2
  Top w0.2: TP1.1 5.9,34.8 5.9,37.43 5.45,37.88 5.45,39.9 5.55,40 U3.33
/R: length 28.4
  Bottom w0.2: 46.61,87.15 46.4,87.15 J9.1
  Bottom w0.4: R21.2 46.61,87.15 45.39,87.15 R20.2 43.61,87.15 42.39,87.15 R19.2 40.61,87.15 39.39,87.15 R18.2 37.61,87.15 36.39,87.15 R17.2 34.61,87.15 33.39,87.15 R16.2 31.61,87.15 30.39,87.15 R15.2
/RAM_A0: length 7.4
  Top w0.2: U3.49 14.45,35.41 10,30.96
/RAM_A1: length 6.7
  Top w0.2: 9.2,30.96 11.95,33.71 U3.44
/RAM_A2: length 7.2
  Top w0.2: U1.25 8.4,32 10.95,34.55 U3.42
/RAM_A3: length 7
  Top w0.2: U3.39 9.45,34.75 7.42,32.72 7.42,31.15 7.6,30.97 U1.26
/RAM_A4: length 42.1
  Top w0.2: 7.6,19.46 0.75,26.31 0.75,51.85 3.4,54.5 U3.4
/RAM_A5: length 41.3
  Top w0.2: 8.4,19.47 1.23,26.64 1.23,51.43 3.6,53.8 5.25,53.8 5.55,53.5 U3.6
/RAM_A6: length 40.1
  Top w0.2: U3.8 5.53,52.5 5.43,52.6 3.28,52.6 1.71,51.03 1.71,26.95 9.2,19.46
/RAM_A7: length 39
  Top w0.2: U3.10 5.52,51.5 5.42,51.4 3,51.4 2.19,50.59 2.19,27.28 10,19.46
/RAM_A8: length 38.2
  Top w0.2: 10.8,19.47 2.67,27.61 2.67,50.17 3.5,51 U3.11
/RAM_A9: length 28.6
  Top w0.2: 11.6,19.46 3.14,27.92 3.14,40.34 5.3,42.5 U3.28
/RAM_A10: length 7.3
  Top w0.2: 10.8,30.97 14.95,35.12 U3.50
/RAM_A11: length 28.2
  Top w0.2: U1.35 12.4,19.47 3.62,28.25 3.62,40.05 5.08,41.5 U3.30
/RAM_A12: length 26.4
  Top w0.2: U3.32 5.4,40.5 4.9,40 4.9,39.45 4.1,38.65 4.1,28.57 13.2,19.47
/RAM_BA0: length 9.3
  Top w0.2: U3.58 18.95,35.78 17.12,33.95 15.39,33.95 12.4,30.96
/RAM_BA1: length 7.2
  Top w0.2: U3.51 15.45,34.81 11.6,30.96
/RAM_CLK: length 31.1
  Top w0.2: v1(11.17,29.19) 11.17,26.72 arc(11.21,26.54) 11.31,26.39 11.5,26.2 arc(11.71,26.11) 11.92,26.2 12.21,26.49 arc(12.42,26.58) 12.62,26.49 arc(12.71,26.28) 12.62,26.07 11.63,25.08 arc(11.54,24.87) 11.63,24.66 arc(11.84,24.57) 12.04,24.66 13.04,25.66 arc(13.25,25.74) 13.46,25.66 arc(13.55,25.45) 13.46,25.24 12.46,24.24 arc(12.38,24.03) 12.46,23.82 arc(12.67,23.74) 12.88,23.82 13.88,24.82 arc(14.08,24.91) 14.29,24.82 arc(14.38,24.61) 14.29,24.4 13.3,23.41 arc(13.21,23.2) 13.3,22.99 arc(13.5,22.9) 13.71,22.99 14,23.28 arc(14.21,23.37) 14.42,23.28 14.65,23.05 arc(14.76,22.88) 14.8,22.69 U1.38 ; U3.43 11.45,34.1 9.08,31.73 v1(9.08,31.69)
  Bottom w0.2: v1(9.08,31.69) v1(11.17,29.19)
/RAM_DQ0: length 15.5
  Top w0.2: U3.83 28.85,43.5 30.31,42.04 30.31,34.48 26.8,30.96
/RAM_DQ1: length 13.8
  Top w0.2: U3.79 28.85,41.5 29.86,40.49 29.86,35.62 25.2,30.96
/RAM_DQ2: length 12.8
  Top w0.2: 24.4,30.96 29.4,35.97 29.4,40.01 28.92,40.5 U3.77
/RAM_DQ3: length 13.1
  Top w0.2: U1.7 22.8,30.96 28.95,37.11 28.95,39.9 28.85,40 U3.76
/RAM_DQ4: length 7.2
  Top w0.2: U3.72 25.95,34.91 22,30.96
/RAM_DQ5: length 8.2
  Top w0.2: U3.71 25.45,35.1 21.85,31.5 20.94,31.5 20.4,30.96
/RAM_DQ6: length 8.2
  Top w0.2: U3.69 24.45,34.8 21.6,31.95 20.59,31.95 19.6,30.96
/RAM_DQ7: length 9
  Top w0.2: 18,30.96 18.44,31.41 20.3,32.4 21.35,32.4 23.95,35 U3.68
/RAM_DQ8: length 41.8
  Top w0.2: U3.86 28.92,45 31.22,42.69 31.22,29.14 28.01,25.94 21.94,25.94 arc(21.88,25.8) 21.94,25.66 arc(21.99,25.52) 21.94,25.39 21.93,25.38 arc(21.79,25.32) 21.65,25.38 21.38,25.65 arc(21.24,25.71) 21.1,25.65 21.1,25.65 arc(21.04,25.51) 21.1,25.37 21.37,25.1 arc(21.43,24.96) 21.37,24.82 21.36,24.81 arc(21.23,24.76) 21.09,24.81 20.81,25.09 arc(20.68,25.15) 20.54,25.09 20.53,25.08 arc(20.47,24.94) 20.53,24.81 20.81,24.53 arc(20.86,24.39) 20.81,24.25 20.8,24.25 arc(20.66,24.19) 20.52,24.25 20.25,24.52 arc(20.11,24.58) 19.97,24.52 19.96,24.52 arc(19.91,24.38) 19.96,24.24 20.24,23.96 arc(20.3,23.83) 20.24,23.69 20.23,23.68 arc(20.1,23.62) 19.96,23.68 19.68,23.96 arc(19.54,24.01) 19.41,23.96 19.4,23.95 arc(19.34,23.81) 19.4,23.67 arc(19.46,23.54) 19.4,23.4 18,22 U1.42